# KiCad board register-motherboard.kicad_pcb
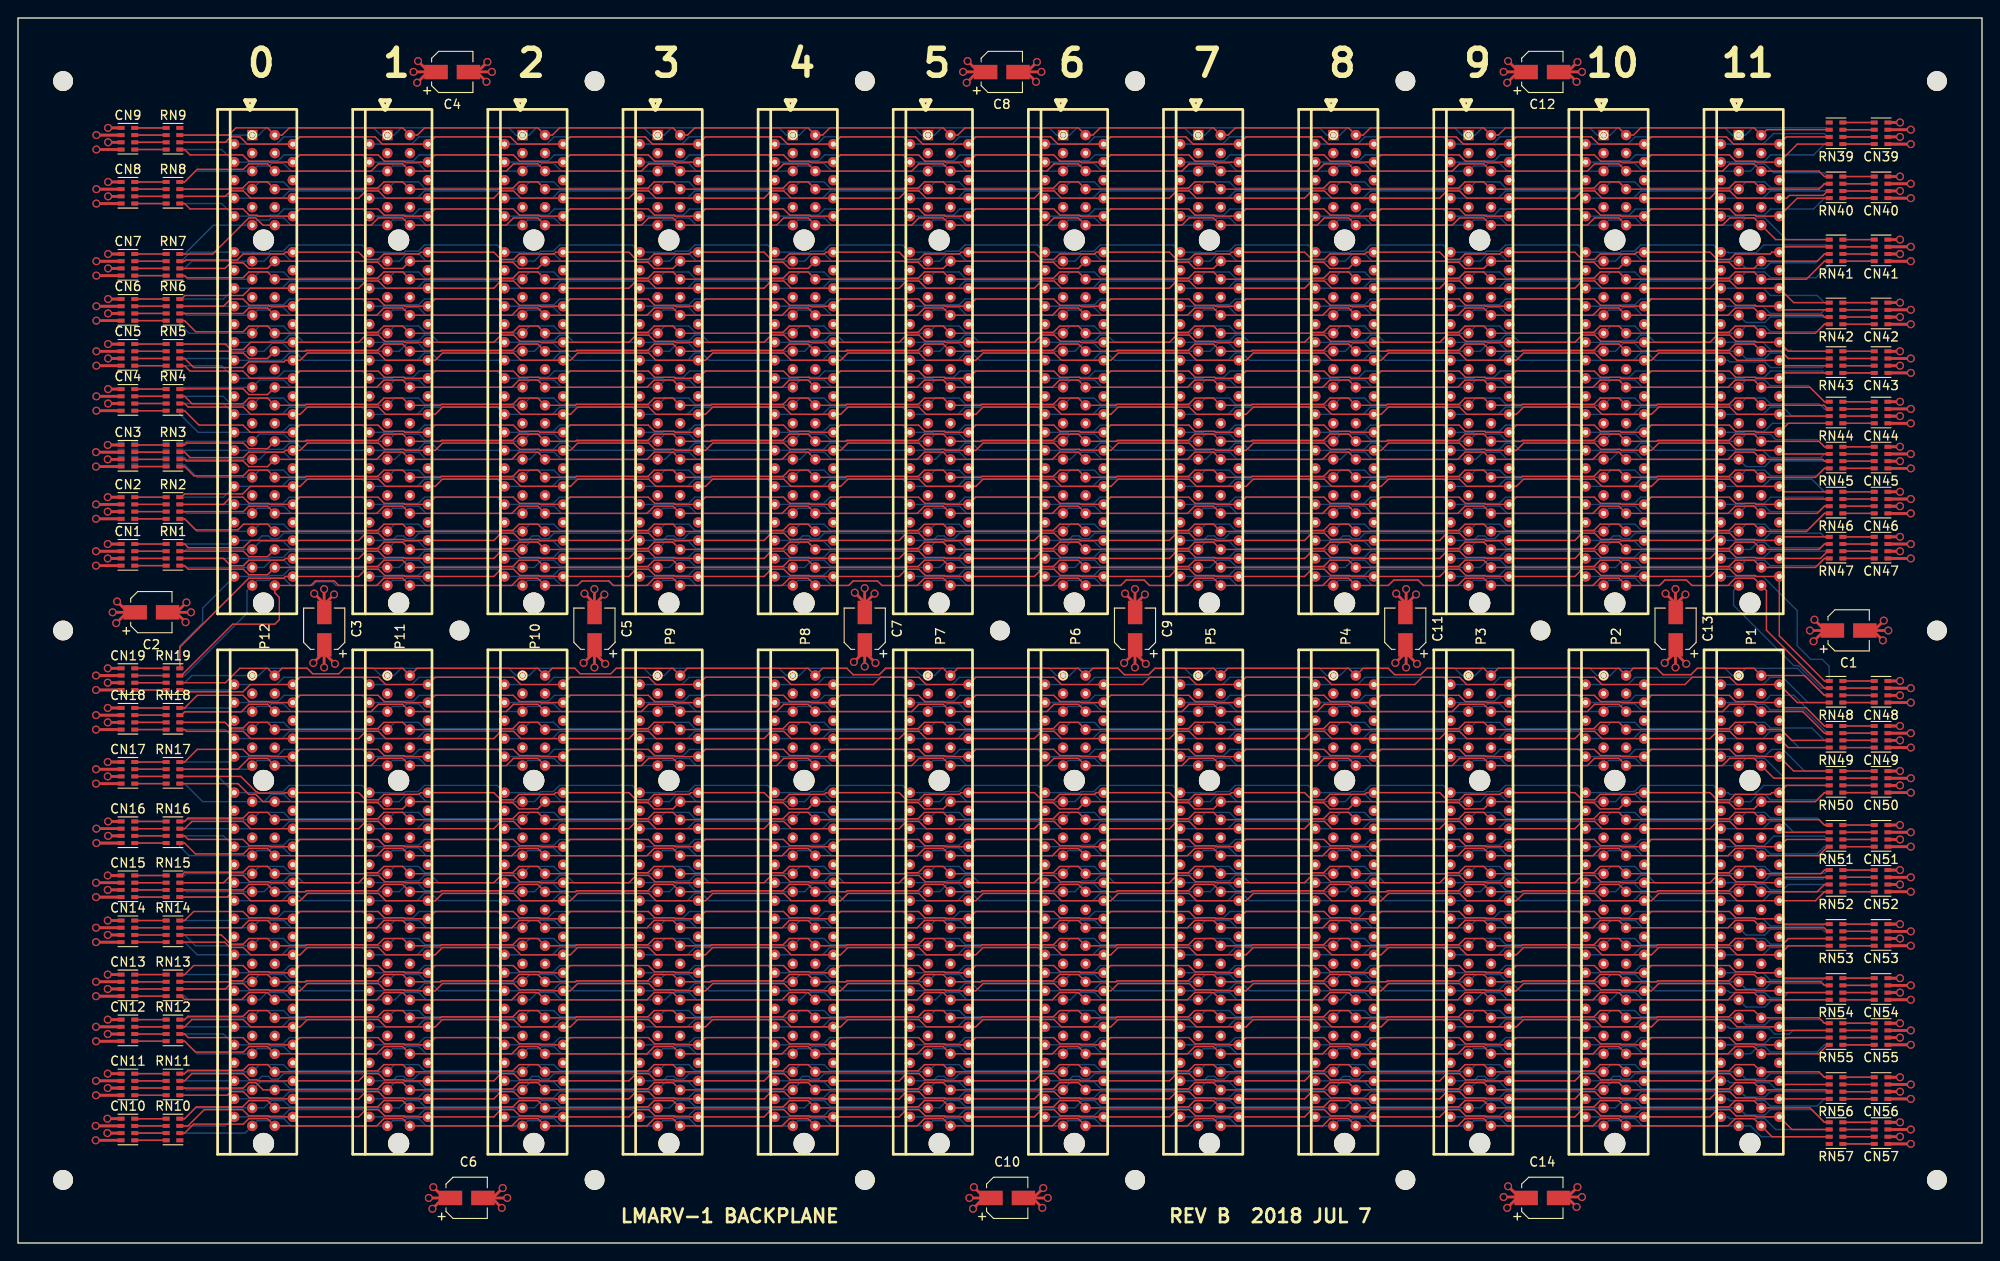
[diagram p0: board, top side]
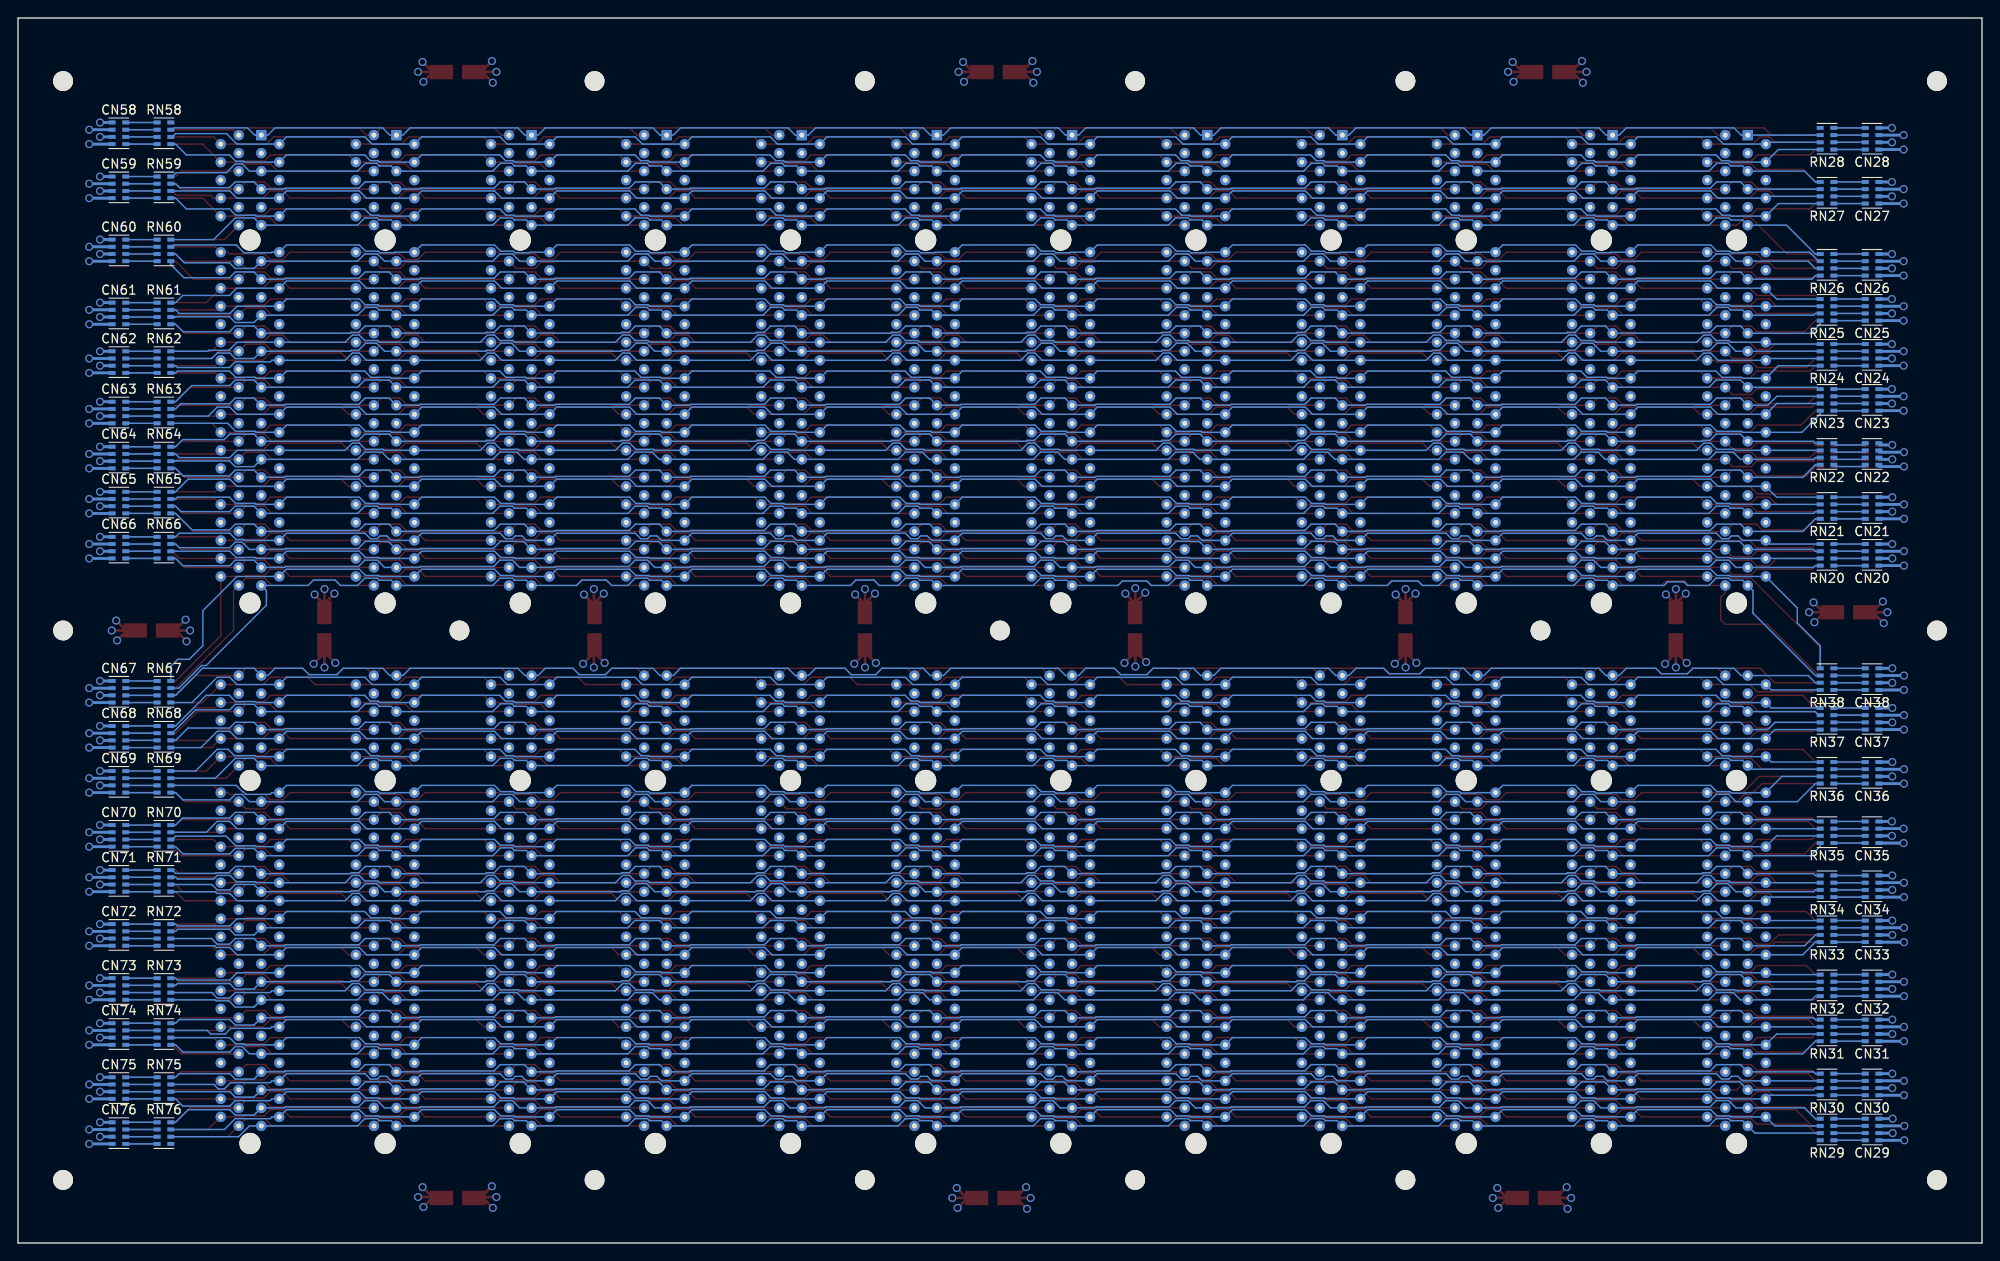
[diagram p1: board, bottom side, seen from below]

Outline 218 x 136 mm; copper layers: Top, Gnd2.Cu (plane), Vcc3.Cu (plane), Bottom. Coordinates in mm from the lower left corner of the outline.
Outline path: 0,136 218,136 218,0 0,0 0,136

## Placement (name value [footprint] x y rotation side)
C1  47u  [CP_Elec_4x4.5]  203.2 68 0 top
C2  47u  [CP_Elec_4x4.5]  14.8 70.02 0 top
C3  47u  [CP_Elec_4x4.5]  34 68.2 90 top
C4  47u  [CP_Elec_4x4.5]  48.2 130 0 top
C5  47u  [CP_Elec_4x4.5]  64 68.2 90 top
C6  47u  [CP_Elec_4x4.5]  49.8 5 0 top
C7  47u  [CP_Elec_4x4.5]  94 68.2 90 top
C8  47u  [CP_Elec_4x4.5]  109.2 130 0 top
C9  47u  [CP_Elec_4x4.5]  124 68.2 90 top
C10  47u  [CP_Elec_4x4.5]  109.8 5 0 top
C11  47u  [CP_Elec_4x4.5]  154 68.2 90 top
C12  47u  [CP_Elec_4x4.5]  169.2 130 0 top
C13  47u  [CP_Elec_4x4.5]  184 68.2 90 top
C14  47u  [CP_Elec_4x4.5]  169.2 5 0 top
CN1  CA0612KRNPO9BN151  [R_Cat16-4]  12.2 76.4 0 top
CN2  CA0612KRNPO9BN151  [R_Cat16-4]  12.2 81.6 0 top
CN3  CA0612KRNPO9BN151  [R_Cat16-4]  12.2 87.4 0 top
CN4  CA0612KRNPO9BN151  [R_Cat16-4]  12.2 93.6 0 top
CN5  CA0612KRNPO9BN151  [R_Cat16-4]  12.2 98.6 0 top
CN6  CA0612KRNPO9BN151  [R_Cat16-4]  12.2 103.6 0 top
CN7  CA0612KRNPO9BN151  [R_Cat16-4]  12.2 108.6 0 top
CN8  CA0612KRNPO9BN151  [R_Cat16-4]  12.2 116.6 0 top
CN9  CA0612KRNPO9BN151  [R_Cat16-4]  12.2 122.6 0 top
CN10  CA0612KRNPO9BN151  [R_Cat16-4]  12.2 12.6 0 top
CN11  CA0612KRNPO9BN151  [R_Cat16-4]  12.2 17.6 0 top
CN12  CA0612KRNPO9BN151  [R_Cat16-4]  12.2 23.6 0 top
CN13  CA0612KRNPO9BN151  [R_Cat16-4]  12.2 28.6 0 top
CN14  CA0612KRNPO9BN151  [R_Cat16-4]  12.2 34.6 0 top
CN15  CA0612KRNPO9BN151  [R_Cat16-4]  12.2 39.6 0 top
CN16  CA0612KRNPO9BN151  [R_Cat16-4]  12.2 45.6 0 top
CN17  CA0612KRNPO9BN151  [R_Cat16-4]  12.2 52.2 0 top
CN18  CA0612KRNPO9BN151  [R_Cat16-4]  12.2 58.2 0 top
CN19  CA0612KRNPO9BN151  [R_Cat16-4]  12.2 62.6 0 top
CN20  CA0612KRNPO9BN151  [R_Cat16-4]  12.2 76.4 0 bottom
CN21  CA0612KRNPO9BN151  [R_Cat16-4]  12.2 81.6 0 bottom
CN22  CA0612KRNPO9BN151  [R_Cat16-4]  12.2 87.6 0 bottom
CN23  CA0612KRNPO9BN151  [R_Cat16-4]  12.2 93.6 0 bottom
CN24  CA0612KRNPO9BN151  [R_Cat16-4]  12.2 98.6 0 bottom
CN25  CA0612KRNPO9BN151  [R_Cat16-4]  12.2 103.6 0 bottom
CN26  CA0612KRNPO9BN151  [R_Cat16-4]  12.2 108.6 0 bottom
CN27  CA0612KRNPO9BN151  [R_Cat16-4]  12.2 116.6 0 bottom
CN28  CA0612KRNPO9BN151  [R_Cat16-4]  12.2 122.6 0 bottom
CN29  CA0612KRNPO9BN151  [R_Cat16-4]  12.2 12.6 0 bottom
CN30  CA0612KRNPO9BN151  [R_Cat16-4]  12.2 17.6 0 bottom
CN31  CA0612KRNPO9BN151  [R_Cat16-4]  12.2 23.6 0 bottom
CN32  CA0612KRNPO9BN151  [R_Cat16-4]  12.2 28.6 0 bottom
CN33  CA0612KRNPO9BN151  [R_Cat16-4]  12.2 34.6 0 bottom
CN34  CA0612KRNPO9BN151  [R_Cat16-4]  12.2 39.6 0 bottom
CN35  CA0612KRNPO9BN151  [R_Cat16-4]  12.2 45.6 0 bottom
CN36  CA0612KRNPO9BN151  [R_Cat16-4]  12.2 52.2 0 bottom
CN37  CA0612KRNPO9BN151  [R_Cat16-4]  12.2 58.2 0 bottom
CN38  CA0612KRNPO9BN151  [R_Cat16-4]  12.2 62.6 0 bottom
CN39  CA0612KRNPO9BN151  [R_Cat16-4]  206.8 123.2 180 top
CN40  CA0612KRNPO9BN151  [R_Cat16-4]  206.8 117.2 180 top
CN41  CA0612KRNPO9BN151  [R_Cat16-4]  206.8 110.2 180 top
CN42  CA0612KRNPO9BN151  [R_Cat16-4]  206.8 103.2 180 top
CN43  CA0612KRNPO9BN151  [R_Cat16-4]  206.8 97.8 180 top
CN44  CA0612KRNPO9BN151  [R_Cat16-4]  206.8 92.2 180 top
CN45  CA0612KRNPO9BN151  [R_Cat16-4]  206.8 87.2 180 top
CN46  CA0612KRNPO9BN151  [R_Cat16-4]  206.8 82.2 180 top
CN47  CA0612KRNPO9BN151  [R_Cat16-4]  206.8 77.2 180 top
CN48  CA0612KRNPO9BN151  [R_Cat16-4]  206.8 61.2 180 top
CN49  CA0612KRNPO9BN151  [R_Cat16-4]  206.8 56.2 180 top
CN50  CA0612KRNPO9BN151  [R_Cat16-4]  206.8 51.2 180 top
CN51  CA0612KRNPO9BN151  [R_Cat16-4]  206.8 45.2 180 top
CN52  CA0612KRNPO9BN151  [R_Cat16-4]  206.8 40.2 180 top
CN53  CA0612KRNPO9BN151  [R_Cat16-4]  206.8 34.2 180 top
CN54  CA0612KRNPO9BN151  [R_Cat16-4]  206.8 28.2 180 top
CN55  CA0612KRNPO9BN151  [R_Cat16-4]  206.8 23.2 180 top
CN56  CA0612KRNPO9BN151  [R_Cat16-4]  206.8 17.2 180 top
CN57  CA0612KRNPO9BN151  [R_Cat16-4]  206.8 12.2 180 top
CN58  CA0612KRNPO9BN151  [R_Cat16-4]  206.8 123.2 180 bottom
CN59  CA0612KRNPO9BN151  [R_Cat16-4]  206.8 117.2 180 bottom
CN60  CA0612KRNPO9BN151  [R_Cat16-4]  206.8 110.2 180 bottom
CN61  CA0612KRNPO9BN151  [R_Cat16-4]  206.8 103.2 180 bottom
CN62  CA0612KRNPO9BN151  [R_Cat16-4]  206.8 97.8 180 bottom
CN63  CA0612KRNPO9BN151  [R_Cat16-4]  206.8 92.2 180 bottom
CN64  CA0612KRNPO9BN151  [R_Cat16-4]  206.8 87.2 180 bottom
CN65  CA0612KRNPO9BN151  [R_Cat16-4]  206.8 82.2 180 bottom
CN66  CA0612KRNPO9BN151  [R_Cat16-4]  206.8 77.2 180 bottom
CN67  CA0612KRNPO9BN151  [R_Cat16-4]  206.8 61.2 180 bottom
CN68  CA0612KRNPO9BN151  [R_Cat16-4]  206.8 56.2 180 bottom
CN69  CA0612KRNPO9BN151  [R_Cat16-4]  206.8 51.2 180 bottom
CN70  CA0612KRNPO9BN151  [R_Cat16-4]  206.8 45.2 180 bottom
CN71  CA0612KRNPO9BN151  [R_Cat16-4]  206.8 40.2 180 bottom
CN72  CA0612KRNPO9BN151  [R_Cat16-4]  206.8 34.2 180 bottom
CN73  CA0612KRNPO9BN151  [R_Cat16-4]  206.8 28.2 180 bottom
CN74  CA0612KRNPO9BN151  [R_Cat16-4]  206.8 23.2 180 bottom
CN75  CA0612KRNPO9BN151  [R_Cat16-4]  206.8 17.2 180 bottom
CN76  CA0612KRNPO9BN151  [R_Cat16-4]  206.8 12.2 180 bottom
P1  dual-pcie-cardedge  [2pci_express_slot_small]  192.25 111.35 270 top
P2  dual-pcie-cardedge  [2pci_express_slot_small]  177.25 111.35 270 top
P3  dual-pcie-cardedge  [2pci_express_slot_small]  162.25 111.35 270 top
P4  dual-pcie-cardedge  [2pci_express_slot_small]  147.25 111.35 270 top
P5  dual-pcie-cardedge  [2pci_express_slot_small]  132.25 111.35 270 top
P6  dual-pcie-cardedge  [2pci_express_slot_small]  117.25 111.35 270 top
P7  dual-pcie-cardedge  [2pci_express_slot_small]  102.25 111.35 270 top
P8  dual-pcie-cardedge  [2pci_express_slot_small]  87.25 111.35 270 top
P9  dual-pcie-cardedge  [2pci_express_slot_small]  72.25 111.35 270 top
P10  dual-pcie-cardedge  [2pci_express_slot_small]  57.25 111.35 270 top
P11  dual-pcie-cardedge  [2pci_express_slot_small]  42.25 111.35 270 top
P12  dual-pcie-cardedge  [2pci_express_slot_small]  27.25 111.35 270 top
REF**  -  [MountingHole_2.2mm_M2]  169 68 0 top
REF**#2  -  [MountingHole_2.2mm_M2]  213 68 0 top
REF**#3  -  [MountingHole_2.2mm_M2]  49 68 0 top
REF**#4  -  [MountingHole_2.2mm_M2]  109 68 0 top
REF**#5  -  [MountingHole_2.2mm_M2]  5 68 0 top
REF**#6  -  [MountingHole_2.2mm_M2]  213 129 0 top
REF**#7  -  [MountingHole_2.2mm_M2]  154 129 0 top
REF**#8  -  [MountingHole_2.2mm_M2]  5 129 0 top
REF**#9  -  [MountingHole_2.2mm_M2]  64 129 0 top
REF**#10  -  [MountingHole_2.2mm_M2]  94 129 0 top
REF**#11  -  [MountingHole_2.2mm_M2]  124 129 0 top
REF**#12  -  [MountingHole_2.2mm_M2]  124 7 0 top
REF**#13  -  [MountingHole_2.2mm_M2]  5 7 0 top
REF**#14  -  [MountingHole_2.2mm_M2]  64 7 0 top
REF**#15  -  [MountingHole_2.2mm_M2]  94 7 0 top
REF**#16  -  [MountingHole_2.2mm_M2]  213 7 0 top
REF**#17  -  [MountingHole_2.2mm_M2]  154 7 0 top
RN1  CAT16-101J4  [R_Cat16-4]  17.2 76.4 0 top
RN2  CAT16-101J4  [R_Cat16-4]  17.2 81.6 0 top
RN3  CAT16-101J4  [R_Cat16-4]  17.2 87.4 0 top
RN4  CAT16-101J4  [R_Cat16-4]  17.2 93.6 0 top
RN5  CAT16-101J4  [R_Cat16-4]  17.2 98.6 0 top
RN6  CAT16-101J4  [R_Cat16-4]  17.2 103.6 0 top
RN7  CAT16-101J4  [R_Cat16-4]  17.2 108.6 0 top
RN8  CAT16-101J4  [R_Cat16-4]  17.2 116.6 0 top
RN9  CAT16-101J4  [R_Cat16-4]  17.2 122.6 0 top
RN10  CAT16-101J4  [R_Cat16-4]  17.2 12.6 0 top
RN11  CAT16-101J4  [R_Cat16-4]  17.2 17.6 0 top
RN12  CAT16-101J4  [R_Cat16-4]  17.2 23.6 0 top
RN13  CAT16-101J4  [R_Cat16-4]  17.2 28.6 0 top
RN14  CAT16-101J4  [R_Cat16-4]  17.2 34.6 0 top
RN15  CAT16-101J4  [R_Cat16-4]  17.2 39.6 0 top
RN16  CAT16-101J4  [R_Cat16-4]  17.2 45.6 0 top
RN17  CAT16-101J4  [R_Cat16-4]  17.2 52.2 0 top
RN18  CAT16-101J4  [R_Cat16-4]  17.2 58.2 0 top
RN19  CAT16-101J4  [R_Cat16-4]  17.2 62.6 0 top
RN20  CAT16-101J4  [R_Cat16-4]  17.2 76.4 0 bottom
RN21  CAT16-101J4  [R_Cat16-4]  17.2 81.6 0 bottom
RN22  CAT16-101J4  [R_Cat16-4]  17.2 87.6 0 bottom
RN23  CAT16-101J4  [R_Cat16-4]  17.2 93.6 0 bottom
RN24  CAT16-101J4  [R_Cat16-4]  17.2 98.6 0 bottom
RN25  CAT16-101J4  [R_Cat16-4]  17.2 103.6 0 bottom
RN26  CAT16-101J4  [R_Cat16-4]  17.2 108.6 0 bottom
RN27  CAT16-101J4  [R_Cat16-4]  17.2 116.6 0 bottom
RN28  CAT16-101J4  [R_Cat16-4]  17.2 122.6 0 bottom
RN29  CAT16-101J4  [R_Cat16-4]  17.2 12.6 0 bottom
RN30  CAT16-101J4  [R_Cat16-4]  17.2 17.6 0 bottom
RN31  CAT16-101J4  [R_Cat16-4]  17.2 23.6 0 bottom
RN32  CAT16-101J4  [R_Cat16-4]  17.2 28.6 0 bottom
RN33  CAT16-101J4  [R_Cat16-4]  17.2 34.6 0 bottom
RN34  CAT16-101J4  [R_Cat16-4]  17.2 39.6 0 bottom
RN35  CAT16-101J4  [R_Cat16-4]  17.2 45.6 0 bottom
RN36  CAT16-101J4  [R_Cat16-4]  17.2 52.2 0 bottom
RN37  CAT16-101J4  [R_Cat16-4]  17.2 58.2 0 bottom
RN38  CAT16-101J4  [R_Cat16-4]  17.2 62.6 0 bottom
RN39  CAT16-101J4  [R_Cat16-4]  201.8 123.2 180 top
RN40  CAT16-101J4  [R_Cat16-4]  201.8 117.2 180 top
RN41  CAT16-101J4  [R_Cat16-4]  201.8 110.2 180 top
RN42  CAT16-101J4  [R_Cat16-4]  201.8 103.2 180 top
RN43  CAT16-101J4  [R_Cat16-4]  201.8 97.8 180 top
RN44  CAT16-101J4  [R_Cat16-4]  201.8 92.2 180 top
RN45  CAT16-101J4  [R_Cat16-4]  201.8 87.2 180 top
RN46  CAT16-101J4  [R_Cat16-4]  201.8 82.2 180 top
RN47  CAT16-101J4  [R_Cat16-4]  201.8 77.2 180 top
RN48  CAT16-101J4  [R_Cat16-4]  201.8 61.2 180 top
RN49  CAT16-101J4  [R_Cat16-4]  201.8 56.2 180 top
RN50  CAT16-101J4  [R_Cat16-4]  201.8 51.2 180 top
RN51  CAT16-101J4  [R_Cat16-4]  201.8 45.2 180 top
RN52  CAT16-101J4  [R_Cat16-4]  201.8 40.2 180 top
RN53  CAT16-101J4  [R_Cat16-4]  201.8 34.2 180 top
RN54  CAT16-101J4  [R_Cat16-4]  201.8 28.2 180 top
RN55  CAT16-101J4  [R_Cat16-4]  201.8 23.2 180 top
RN56  CAT16-101J4  [R_Cat16-4]  201.8 17.2 180 top
RN57  CAT16-101J4  [R_Cat16-4]  201.8 12.2 180 top
RN58  CAT16-101J4  [R_Cat16-4]  201.8 123.2 180 bottom
RN59  CAT16-101J4  [R_Cat16-4]  201.8 117.2 180 bottom
RN60  CAT16-101J4  [R_Cat16-4]  201.8 110.2 180 bottom
RN61  CAT16-101J4  [R_Cat16-4]  201.8 103.2 180 bottom
RN62  CAT16-101J4  [R_Cat16-4]  201.8 97.8 180 bottom
RN63  CAT16-101J4  [R_Cat16-4]  201.8 92.2 180 bottom
RN64  CAT16-101J4  [R_Cat16-4]  201.8 87.2 180 bottom
RN65  CAT16-101J4  [R_Cat16-4]  201.8 82.2 180 bottom
RN66  CAT16-101J4  [R_Cat16-4]  201.8 77.2 180 bottom
RN67  CAT16-101J4  [R_Cat16-4]  201.8 61.2 180 bottom
RN68  CAT16-101J4  [R_Cat16-4]  201.8 56.2 180 bottom
RN69  CAT16-101J4  [R_Cat16-4]  201.8 51.2 180 bottom
RN70  CAT16-101J4  [R_Cat16-4]  201.8 45.2 180 bottom
RN71  CAT16-101J4  [R_Cat16-4]  201.8 40.2 180 bottom
RN72  CAT16-101J4  [R_Cat16-4]  201.8 34.2 180 bottom
RN73  CAT16-101J4  [R_Cat16-4]  201.8 28.2 180 bottom
RN74  CAT16-101J4  [R_Cat16-4]  201.8 23.2 180 bottom
RN75  CAT16-101J4  [R_Cat16-4]  201.8 17.2 180 bottom
RN76  CAT16-101J4  [R_Cat16-4]  201.8 12.2 180 bottom

## Footprints (pads in the part's own frame, mm; a bottom-side part is the same pattern mirrored in y, then rotated)
2pci_express_slot_small
  round 2.35 hole 2.35 unplated: (0,0) (40.3,0) (60,0) (100.3,0)
  rect 1.15x1.15 hole 0.55: 1(-11.65,-1.25)
  round 1.15 hole 0.55: 2(-10.65,-3.25) 3(-9.65,-1.25) 4(-8.65,-3.25) 5(-7.65,-1.25) 6(-6.65,-3.25) 7(-5.65,-1.25) 8(-4.65,-3.25) 9(-3.65,-1.25) 10(-2.65,-3.25) 11(-1.65,-1.25) 12(1.35,-3.25) 13(2.35,-1.25) 14(3.35,-3.25) 15(4.35,-1.25) 16(5.35,-3.25) 17(6.35,-1.25) 18(7.35,-3.25) 19(8.35,-1.25) 20(9.35,-3.25) 21(10.35,-1.25) 22(11.35,-3.25) 23(12.35,-1.25) 24(13.35,-3.25) 25(14.35,-1.25) 26(15.35,-3.25) 27(16.35,-1.25) 28(17.35,-3.25) 29(18.35,-1.25) 30(19.35,-3.25) 31(20.35,-1.25) 32(21.35,-3.25) 33(22.35,-1.25) 34(23.35,-3.25) 35(24.35,-1.25) 36(25.35,-3.25) 37(26.35,-1.25) 38(27.35,-3.25) 39(28.35,-1.25) 40(29.35,-3.25) 41(30.35,-1.25) 42(31.35,-3.25) 43(32.35,-1.25) 44(33.35,-3.25) 45(34.35,-1.25) 46(35.35,-3.25) 47(36.35,-1.25) 48(37.35,-3.25) 49(38.35,-1.25) 50(48.35,-1.25) 51(49.35,-3.25) 52(50.35,-1.25) 53(51.35,-3.25) 54(52.35,-1.25) 55(53.35,-3.25) 56(54.35,-1.25) 57(55.35,-3.25) 58(56.35,-1.25) 59(57.35,-3.25) 60(58.35,-1.25) 61(61.35,-3.25) 62(62.35,-1.25) 63(63.35,-3.25) 64(64.35,-1.25) 65(65.35,-3.25) 66(66.35,-1.25) 67(67.35,-3.25) 68(68.35,-1.25) 69(69.35,-3.25) 70(70.35,-1.25) 71(71.35,-3.25) 72(72.35,-1.25) 73(73.35,-3.25) 74(74.35,-1.25) 75(75.35,-3.25) 76(76.35,-1.25) 77(77.35,-3.25) 78(78.35,-1.25) 79(79.35,-3.25) 80(80.35,-1.25) 81(81.35,-3.25) 82(82.35,-1.25) 83(83.35,-3.25) 84(84.35,-1.25) 85(85.35,-3.25) 86(86.35,-1.25) 87(87.35,-3.25) 88(88.35,-1.25) 89(89.35,-3.25) 90(90.35,-1.25) 91(91.35,-3.25) 92(92.35,-1.25) 93(93.35,-3.25) 94(94.35,-1.25) 95(95.35,-3.25) 96(96.35,-1.25) 97(97.35,-3.25) 98(98.35,-1.25) 99(-11.65,1.25) 100(-10.65,3.25) 101(-9.65,1.25) 102(-8.65,3.25) 103(-7.65,1.25) 104(-6.65,3.25) 105(-5.65,1.25) 106(-4.65,3.25) 107(-3.65,1.25) 108(-2.65,3.25) 109(-1.65,1.25) 110(1.35,3.25) 111(2.35,1.25) 112(3.35,3.25) 113(4.35,1.25) 114(5.35,3.25) 115(6.35,1.25) 116(7.35,3.25) 117(8.35,1.25) 118(9.35,3.25) 119(10.35,1.25) 120(11.35,3.25) 121(12.35,1.25) 122(13.35,3.25) 123(14.35,1.25) 124(15.35,3.25) 125(16.35,1.25) 126(17.35,3.25) 127(18.35,1.25) 128(19.35,3.25) 129(20.35,1.25) 130(21.35,3.25) 131(22.35,1.25) 132(23.35,3.25) 133(24.35,1.25) 134(25.35,3.25) 135(26.35,1.25) 136(27.35,3.25) 137(28.35,1.25) 138(29.35,3.25) 139(30.35,1.25) 140(31.35,3.25) 141(32.35,1.25) 142(33.35,3.25) 143(34.35,1.25) 144(35.35,3.25) 145(36.35,1.25) 146(37.35,3.25) 147(38.35,1.25) 148(48.35,1.25) 149(49.35,3.25) 150(50.35,1.25) 151(51.35,3.25) 152(52.35,1.25) 153(53.35,3.25) 154(54.35,1.25) 155(55.35,3.25) 156(56.35,1.25) 157(57.35,3.25) 158(58.35,1.25) 159(61.35,3.25) 160(62.35,1.25) 161(63.35,3.25) 162(64.35,1.25) 163(65.35,3.25) 164(66.35,1.25) 165(67.35,3.25) 166(68.35,1.25) 167(69.35,3.25) 168(70.35,1.25) 169(71.35,3.25) 170(72.35,1.25) 171(73.35,3.25) 172(74.35,1.25) 173(75.35,3.25) 174(76.35,1.25) 175(77.35,3.25) 176(78.35,1.25) 177(79.35,3.25) 178(80.35,1.25) 179(81.35,3.25) 180(82.35,1.25) 181(83.35,3.25) 182(84.35,1.25) 183(85.35,3.25) 184(86.35,1.25) 185(87.35,3.25) 186(88.35,1.25) 187(89.35,3.25) 188(90.35,1.25) 189(91.35,3.25) 190(92.35,1.25) 191(93.35,3.25) 192(94.35,1.25) 193(95.35,3.25) 194(96.35,1.25) 195(97.35,3.25) 196(98.35,1.25)
CP_Elec_4x4.5
  rect 2.6x1.6 smd: 1(-1.8,0) 2(1.8,0)
MountingHole_2.2mm_M2
  round 2.2 hole 2.2 unplated: (0,0)
R_Cat16-4
  rect 0.76x0.43 smd: 1(-0.76,1.2) 2(-0.76,0.4) 3(-0.76,-0.4) 4(-0.76,-1.2) 5(0.76,-1.2) 6(0.76,-0.4) 7(0.76,0.4) 8(0.76,1.2)

## Nets
GND: C1.2 C2.2 C3.2 C4.2 C5.2 C6.2 C7.2 C8.2 C9.2 C10.2 C11.2 C12.2 C13.2 C14.2 CN1.1 CN1.2 CN1.3 CN1.4 CN2.1 CN2.2 CN2.3 CN2.4 CN3.1 CN3.2 CN3.3 CN3.4 CN4.1 CN4.2 CN4.3 CN4.4 CN5.1 CN5.2 CN5.3 CN5.4 CN6.1 CN6.2 CN6.3 CN6.4 CN7.1 CN7.2 CN7.3 CN7.4 CN8.1 CN8.2 CN8.3 CN8.4 CN9.1 CN9.2 CN9.3 CN9.4 CN10.1 CN10.2 CN10.3 CN10.4 CN11.1 CN11.2 CN11.3 CN11.4 CN12.1 CN12.2 CN12.3 CN12.4 CN13.1 CN13.2 CN13.3 CN13.4 CN14.1 CN14.2 CN14.3 CN14.4 CN15.1 CN15.2 CN15.3 CN15.4 CN16.1 CN16.2 CN16.3 CN16.4 CN17.1 CN17.2 CN17.3 CN17.4 CN18.1 CN18.2 CN18.3 CN18.4 CN19.1 CN19.2 CN19.3 CN19.4 CN20.1 CN20.2 CN20.3 CN20.4 CN21.1 CN21.2 CN21.3 CN21.4 CN22.1 CN22.2 CN22.3 CN22.4 CN23.1 CN23.2 CN23.3 CN23.4 CN24.1 CN24.2 CN24.3 CN24.4 CN25.1 CN25.2 CN25.3 CN25.4 CN26.1 CN26.2 CN26.3 CN26.4 CN27.1 CN27.2 CN27.3 CN27.4 CN28.1 CN28.2 CN28.3 CN28.4 CN29.1 CN29.2 CN29.3 CN29.4 CN30.1 CN30.2 CN30.3 CN30.4 CN31.1 CN31.2 CN31.3 CN31.4 CN32.1 CN32.2 CN32.3 CN32.4 CN33.1 CN33.2 CN33.3 CN33.4 CN34.1 CN34.2 CN34.3 CN34.4 CN35.1 CN35.2 CN35.3 CN35.4 CN36.1 CN36.2 CN36.3 CN36.4 CN37.1 CN37.2 CN37.3 CN37.4 CN38.1 CN38.2 CN38.3 CN38.4 CN39.1 CN39.2 CN39.3 CN39.4 CN40.1 CN40.2 CN40.3 CN40.4 CN41.1 CN41.2 CN41.3 CN41.4 CN42.1 CN42.2 CN42.3 CN42.4 CN43.1 CN43.2 CN43.3 CN43.4 CN44.1 CN44.2 CN44.3 CN44.4 CN45.1 CN45.2 CN45.3 CN45.4 CN46.1 CN46.2 CN46.3 CN46.4 CN47.1 CN47.2 CN47.3 CN47.4 CN48.1 CN48.2 CN48.3 CN48.4 CN49.1 CN49.2 CN49.3 CN49.4 CN50.1 CN50.2 CN50.3 CN50.4 CN51.1 CN51.2 CN51.3 CN51.4 CN52.1 CN52.2 CN52.3 CN52.4 CN53.1 CN53.2 CN53.3 CN53.4 CN54.1 CN54.2 CN54.3 CN54.4 CN55.1 CN55.2 CN55.3 CN55.4 CN56.1 CN56.2 CN56.3 CN56.4 CN57.1 CN57.2 CN57.3 CN57.4 CN58.1 CN58.2 CN58.3 CN58.4 CN59.1 CN59.2 CN59.3 CN59.4 CN60.1 CN60.2 CN60.3 CN60.4 CN61.1 CN61.2 CN61.3 CN61.4 CN62.1 CN62.2 CN62.3 CN62.4 CN63.1 CN63.2 CN63.3 CN63.4 CN64.1 CN64.2 CN64.3 CN64.4 CN65.1 CN65.2 CN65.3 CN65.4 CN66.1 CN66.2 CN66.3 CN66.4 CN67.1 CN67.2 CN67.3 CN67.4 CN68.1 CN68.2 CN68.3 CN68.4 CN69.1 CN69.2 CN69.3 CN69.4 CN70.1 CN70.2 CN70.3 CN70.4 CN71.1 CN71.2 CN71.3 CN71.4 CN72.1 CN72.2 CN72.3 CN72.4 CN73.1 CN73.2 CN73.3 CN73.4 CN74.1 CN74.2 CN74.3 CN74.4 CN75.1 CN75.2 CN75.3 CN75.4 CN76.1 CN76.2 CN76.3 CN76.4 P1.3 P1.9 P1.14 P1.20 P1.25 P1.31 P1.36 P1.42 P1.52 P1.58 P1.63 P1.69 P1.74 P1.80 P1.85 P1.91 P1.101 P1.107 P1.112 P1.118 P1.123 P1.129 P1.134 P1.140 P1.150 P1.156 P1.161 P1.167 P1.172 P1.178 P1.183 P1.189 P2.3 P2.9 P2.14 P2.20 P2.25 P2.31 P2.36 P2.42 P2.52 P2.58 P2.63 P2.69 P2.74 P2.80 P2.85 P2.91 P2.101 P2.107 P2.112 P2.118 P2.123 P2.129 P2.134 P2.140 P2.150 P2.156 P2.161 P2.167 P2.172 P2.178 P2.183 P2.189 P3.3 P3.9 P3.14 P3.20 P3.25 P3.31 P3.36 P3.42 P3.52 P3.58 P3.63 P3.69 P3.74 P3.80 P3.85 P3.91 P3.101 P3.107 P3.112 P3.118 P3.123 P3.129 P3.134 P3.140 P3.150 P3.156 P3.161 P3.167 P3.172 P3.178 P3.183 P3.189 P4.3 P4.9 P4.14 P4.20 P4.25 P4.31 P4.36 P4.42 P4.52 P4.58 P4.63 P4.69 P4.74 P4.80 P4.85 P4.91 P4.101 P4.107 P4.112 P4.118 P4.123 P4.129 P4.134 P4.140 P4.150 P4.156 P4.161 P4.167 P4.172 P4.178 P4.183 P4.189 P5.3 P5.9 P5.14 P5.20 P5.25 P5.31 P5.36 P5.42 P5.52 P5.58 P5.63 P5.69 P5.74 P5.80 P5.85 P5.91 P5.101 P5.107 P5.112 P5.118 P5.123 P5.129 P5.134 P5.140 P5.150 P5.156 P5.161 P5.167 P5.172 P5.178 P5.183 P5.189 P6.3 P6.9 P6.14 P6.20 P6.25 P6.31 P6.36 P6.42 P6.52 P6.58 P6.63 P6.69 P6.74 P6.80 P6.85 P6.91 P6.101 P6.107 P6.112 P6.118 P6.123 P6.129 P6.134 P6.140 P6.150 P6.156 P6.161 P6.167 P6.172 P6.178 P6.183 P6.189 P7.3 P7.9 P7.14 P7.20 P7.25 P7.31 P7.36 P7.42 P7.52 P7.58 P7.63 P7.69 P7.74 P7.80 P7.85 P7.91 P7.101 P7.107 P7.112 P7.118 P7.123 P7.129 P7.134 P7.140 P7.150 P7.156 P7.161 P7.167 P7.172 P7.178 P7.183 P7.189 P8.3 P8.9 P8.14 P8.20 P8.25 P8.31 P8.36 P8.42 P8.52 P8.58 P8.63 P8.69 P8.74 P8.80 P8.85 P8.91 P8.101 P8.107 P8.112 P8.118 P8.123 P8.129 P8.134 P8.140 P8.150 P8.156 P8.161 P8.167 P8.172 P8.178 P8.183 P8.189 P9.3 P9.9 P9.14 P9.20 P9.25 P9.31 P9.36 P9.42 P9.52 P9.58 P9.63 P9.69 P9.74 P9.80 P9.85 P9.91 P9.101 P9.107 P9.112 P9.118 P9.123 P9.129 P9.134 P9.140 P9.150 P9.156 P9.161 P9.167 P9.172 P9.178 P9.183 P9.189 P10.3 P10.9 P10.14 P10.20 P10.25 P10.31 P10.36 P10.42 P10.52 P10.58 P10.63 P10.69 P10.74 P10.80 P10.85 P10.91 P10.101 P10.107 P10.112 P10.118 P10.123 P10.129 P10.134 P10.140 P10.150 P10.156 P10.161 P10.167 P10.172 P10.178 P10.183 P10.189 P11.3 P11.9 P11.14 P11.20 P11.25 P11.31 P11.36 P11.42 P11.52 P11.58 P11.63 P11.69 P11.74 P11.80 P11.85 P11.91 P11.101 P11.107 P11.112 P11.118 P11.123 P11.129 P11.134 P11.140 P11.150 P11.156 P11.161 P11.167 P11.172 P11.178 P11.183 P11.189 P12.3 P12.9 P12.14 P12.20 P12.25 P12.31 P12.36 P12.42 P12.52 P12.58 P12.63 P12.69 P12.74 P12.80 P12.85 P12.91 P12.101 P12.107 P12.112 P12.118 P12.123 P12.129 P12.134 P12.140 P12.150 P12.156 P12.161 P12.167 P12.172 P12.178 P12.183 P12.189
VCC: C1.1 C2.1 C3.1 C4.1 C5.1 C6.1 C7.1 C8.1 C9.1 C10.1 C11.1 C12.1 C13.1 C14.1 P1.6 P1.17 P1.28 P1.39 P1.55 P1.66 P1.77 P1.88 P1.104 P1.115 P1.126 P1.137 P1.153 P1.164 P1.175 P1.186 P2.6 P2.17 P2.28 P2.39 P2.55 P2.66 P2.77 P2.88 P2.104 P2.115 P2.126 P2.137 P2.153 P2.164 P2.175 P2.186 P3.6 P3.17 P3.28 P3.39 P3.55 P3.66 P3.77 P3.88 P3.104 P3.115 P3.126 P3.137 P3.153 P3.164 P3.175 P3.186 P4.6 P4.17 P4.28 P4.39 P4.55 P4.66 P4.77 P4.88 P4.104 P4.115 P4.126 P4.137 P4.153 P4.164 P4.175 P4.186 P5.6 P5.17 P5.28 P5.39 P5.55 P5.66 P5.77 P5.88 P5.104 P5.115 P5.126 P5.137 P5.153 P5.164 P5.175 P5.186 P6.6 P6.17 P6.28 P6.39 P6.55 P6.66 P6.77 P6.88 P6.104 P6.115 P6.126 P6.137 P6.153 P6.164 P6.175 P6.186 P7.6 P7.17 P7.28 P7.39 P7.55 P7.66 P7.77 P7.88 P7.104 P7.115 P7.126 P7.137 P7.153 P7.164 P7.175 P7.186 P8.6 P8.17 P8.28 P8.39 P8.55 P8.66 P8.77 P8.88 P8.104 P8.115 P8.126 P8.137 P8.153 P8.164 P8.175 P8.186 P9.6 P9.17 P9.28 P9.39 P9.55 P9.66 P9.77 P9.88 P9.104 P9.115 P9.126 P9.137 P9.153 P9.164 P9.175 P9.186 P10.6 P10.17 P10.28 P10.39 P10.55 P10.66 P10.77 P10.88 P10.104 P10.115 P10.126 P10.137 P10.153 P10.164 P10.175 P10.186 P11.6 P11.17 P11.28 P11.39 P11.55 P11.66 P11.77 P11.88 P11.104 P11.115 P11.126 P11.137 P11.153 P11.164 P11.175 P11.186 P12.6 P12.17 P12.28 P12.39 P12.55 P12.66 P12.77 P12.88 P12.104 P12.115 P12.126 P12.137 P12.153 P12.164 P12.175 P12.186
/BOOT_CLK: P1.194 P2.194 P3.194 P4.194 P5.194 P6.194 P7.194 P8.194 P9.194 P10.194 P11.194 P12.194 RN10.8 RN57.5
/f[0]: P1.188 P2.188 P3.188 P4.188 P5.188 P6.188 P7.188 P8.188 P9.188 P10.188 P11.188 P12.188 RN12.5 RN55.8
/f[1]: P1.190 P2.190 P3.190 P4.190 P5.190 P6.190 P7.190 P8.190 P9.190 P10.190 P11.190 P12.190 RN11.8 RN56.5
/f[2]: P1.191 P2.191 P3.191 P4.191 P5.191 P6.191 P7.191 P8.191 P9.191 P10.191 P11.191 P12.191 RN11.7 RN56.6
/f[3]: P1.192 P2.192 P3.192 P4.192 P5.192 P6.192 P7.192 P8.192 P9.192 P10.192 P11.192 P12.192 RN11.6 RN56.7
/nc0: P1.133 P2.133 P3.133 P4.133 P5.133 P6.133 P7.133 P8.133 P9.133 P10.133 P11.133 P12.133 RN3.6 RN45.7
/nc1: P1.135 P2.135 P3.135 P4.135 P5.135 P6.135 P7.135 P8.135 P9.135 P10.135 P11.135 P12.135 RN3.5 RN45.8
/nc2: P1.136 P2.136 P3.136 P4.136 P5.136 P6.136 P7.136 P8.136 P9.136 P10.136 P11.136 P12.136 RN2.8 RN46.5
/nc3: P1.138 P2.138 P3.138 P4.138 P5.138 P6.138 P7.138 P8.138 P9.138 P10.138 P11.138 P12.138 RN2.7 RN46.6
/nc4: P1.139 P2.139 P3.139 P4.139 P5.139 P6.139 P7.139 P8.139 P9.139 P10.139 P11.139 P12.139 RN2.6 RN46.7
/nc5: P1.141 P2.141 P3.141 P4.141 P5.141 P6.141 P7.141 P8.141 P9.141 P10.141 P11.141 P12.141 RN2.5 RN46.8
/nc6: P1.142 P2.142 P3.142 P4.142 P5.142 P6.142 P7.142 P8.142 P9.142 P10.142 P11.142 P12.142 RN1.8 RN47.5
/nc7: P1.94 P2.94 P3.94 P4.94 P5.94 P6.94 P7.94 P8.94 P9.94 P10.94 P11.94 P12.94 RN30.7 RN75.6
/nc8: P1.95 P2.95 P3.95 P4.95 P5.95 P6.95 P7.95 P8.95 P9.95 P10.95 P11.95 P12.95 RN30.8 RN75.5
/nc9: P1.96 P2.96 P3.96 P4.96 P5.96 P6.96 P7.96 P8.96 P9.96 P10.96 P11.96 P12.96 RN29.5 RN76.8
/nc10: P1.97 P2.97 P3.97 P4.97 P5.97 P6.97 P7.97 P8.97 P9.97 P10.97 P11.97 P12.97 RN29.6 RN76.7
/nc11: P1.98 P2.98 P3.98 P4.98 P5.98 P6.98 P7.98 P8.98 P9.98 P10.98 P11.98 P12.98 RN29.7 RN76.6
/nc12: P1.185 P2.185 P3.185 P4.185 P5.185 P6.185 P7.185 P8.185 P9.185 P10.185 P11.185 P12.185 RN12.7 RN55.6
/rd[0]: P1.71 P2.71 P3.71 P4.71 P5.71 P6.71 P7.71 P8.71 P9.71 P10.71 P11.71 P12.71 RN34.6 RN71.7
/rd[1]: P1.70 P2.70 P3.70 P4.70 P5.70 P6.70 P7.70 P8.70 P9.70 P10.70 P11.70 P12.70 RN34.5 RN71.8
/rd[2]: P1.68 P2.68 P3.68 P4.68 P5.68 P6.68 P7.68 P8.68 P9.68 P10.68 P11.68 P12.68 RN35.8 RN70.5
/rd[3]: P1.67 P2.67 P3.67 P4.67 P5.67 P6.67 P7.67 P8.67 P9.67 P10.67 P11.67 P12.67 RN35.7 RN70.6